# Altium PCB DCAC_V2.PcbDoc (part 1 of 2) (continued)
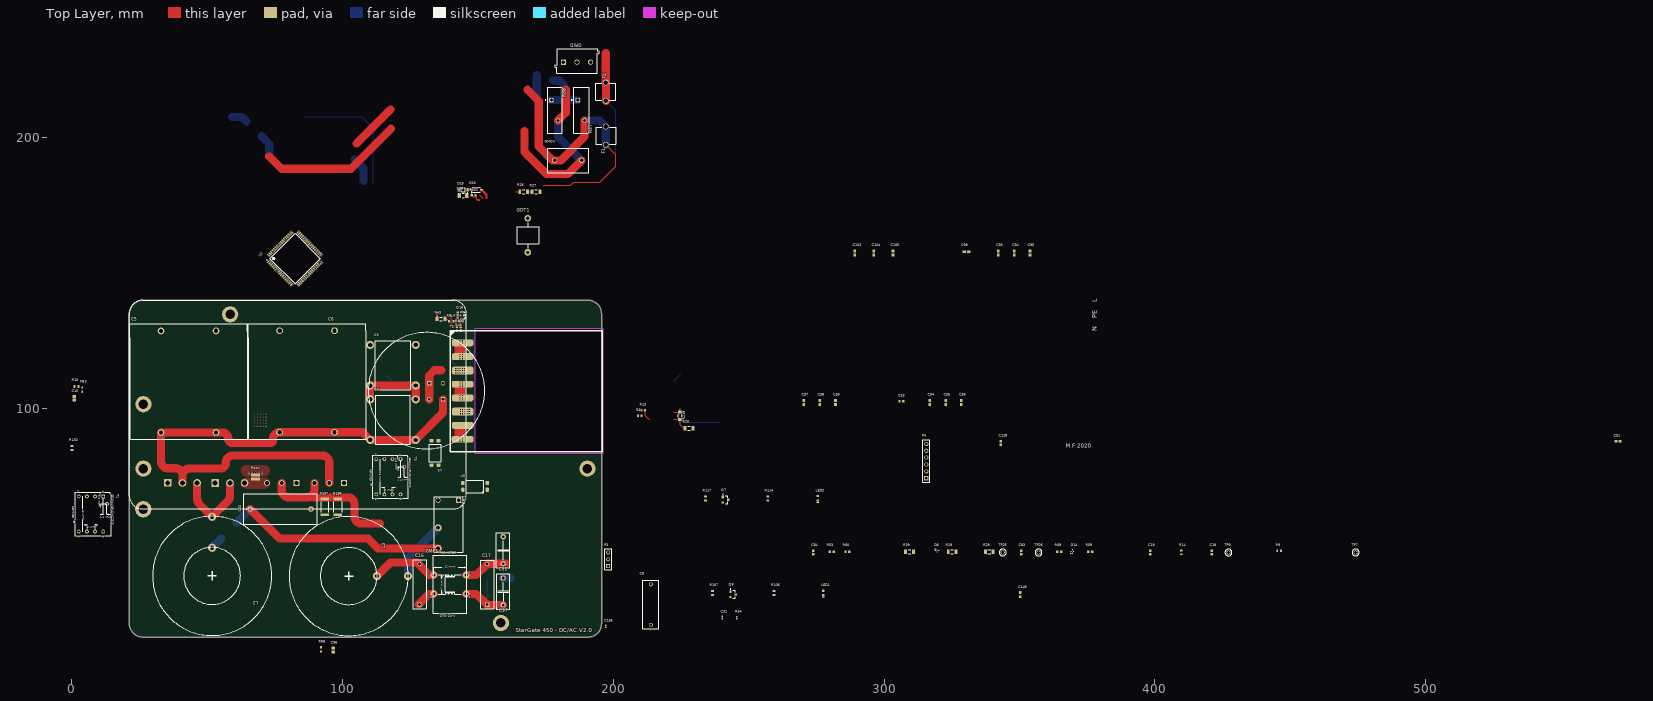
[diagram p0: Top Layer view]
## Part data (continued)
C18 C19: library part CMP-2000-05002-1, "Ceramic Multilayer Capacitor, 100 nF, +/- 10%, 50 V, -55 to 155 degC, 0603 (1608 Metric), RoHS, Tape and Reel", Capacitance=0.1µF, Case Code (Imperial)=0603, Case Code (Metric)=1608, Dielectric=X7R, Insulation Resistance=100GR, Manufacturer=Yageo, Manufacturer Part Number=CC0603KRX7R7BB104, Max Operating Temperature=125°C, Min Operating Temperature=-55°C, Operating Temperature=-55degC~125degC, Package / Case=0603(1608Metric), Package Description="2-Pin Surface Mount Device, Body 1.6 x 0.8 mm", Package Quantity=1, Package Reference=603, Ratings=-, Supplier Part Number 1=311-1088-1-ND, Tolerance=±10%, Voltage=16V, Applications=GeneralPurpose, Case/Package=0603, Category=Capacitors, ComponentLink1Description=https://datasheet.ciiva.com/11786/0900766b80d84f1d-11786077.pdf?src-supplier=RSComponents, ComponentLink1URL=https://datasheet.ciiva.com/11786/0900766b80d84f1d-11786077.pdf?src-supplier=RSComponents, ComponentLink2Description=https://datasheet.ciiva.com/8033/1734573-8033797.pdf?src-supplier=Element14, ComponentLink2URL=https://datasheet.ciiva.com/8033/1734573-8033797.pdf?src-supplier=Element14, ComponentLink3Description=https://datasheet.ciiva.com/144/mlccorderingcode-144182.pdf?src-supplier=Digi-Key, ComponentLink3URL=https://datasheet.ciiva.com/144/mlccorderingcode-144182.pdf?src-supplier=Digi-Key, ComponentLink4Description=https://datasheet.ciiva.com/16625/upy-gphc-x7r-6-3v-to-50v-8-16625526.pdf?src-supplier=Avnet+Europe, ComponentLink4URL=https://datasheet.ciiva.com/16625/upy-gphc-x7r-6-3v-to-50v-8-16625526.pdf?src-supplier=Avnet+Europe, ComponentLink5Description=https://datasheet.ciiva.com/144/mlccorderingcode-144183.pdf?src-supplier=Digi-Key, ComponentLink5URL=https://datasheet.ciiva.com/144/mlccorderingcode-144183.pdf?src-supplier=Digi-Key, ComponentLink6Description=https://datasheet.ciiva.com/8033/70765-8033799.pdf?src-supplier=Element14, ComponentLink6URL=https://datasheet.ciiva.com/8033/70765-8033799.pdf?src-supplier=Element14, ComponentLink7Description=https://datasheet.ciiva.com/144/mlccorderingcode-144184.pdf?src-supplier=Digi-Key, ComponentLink7URL=https://datasheet.ciiva.com/144/mlccorderingcode-144184.pdf?src-supplier=Digi-Key, ComponentLink8Description=https://datasheet.ciiva.com/28450/1489800-28450552.pdf?src-supplier=Element14, ComponentLink8URL=https://datasheet.ciiva.com/28450/1489800-28450552.pdf?src-supplier=Element14, ComponentLink9Description=https://datasheet.ciiva.com/13395/upy-gphc-x7r-6-3v-to-50v-8-13395674.pdf?src-supplier=Mouser, ComponentLink9URL=https://datasheet.ciiva.com/13395/upy-gphc-x7r-6-3v-to-50v-8-13395674.pdf?src-supplier=Mouser, ComponentLink10Description=https://datasheet.ciiva.com/15165/getdatasheetpartid-63554-15165387.pdf?src-supplier=Verical, ComponentLink10URL=https://datasheet.ciiva.com/15165/getdatasheetpartid-63554-15165387.pdf?src-supplier=Verical, ComponentLink11Description=https://datasheet.ciiva.com/46430/1734573-46430156.pdf?src-supplier=Element14, ComponentLink11URL=https://datasheet.ciiva.com/46430/1734573-46430156.pdf?src-supplier=Element14, ComponentLink12Description=https://datasheet.ciiva.com/7978/1489800-7978141.pdf?src-supplier=Element14, ComponentLink12URL=https://datasheet.ciiva.com/7978/1489800-7978141.pdf?src-supplier=Element14, ComponentLink13Description=https://datasheet.ciiva.com/11464/upy-gphc-x7r-6-3v-to-50v-8-11464735.pdf?src-supplier=Avnet, ComponentLink13URL=https://datasheet.ciiva.com/11464/upy-gphc-x7r-6-3v-to-50v-8-11464735.pdf?src-supplier=Avnet, Composition=Ceramic, Datasheet URL=https://datasheet.ciiva.com/11786/0900766b80d84f1d-11786077.pdf, Datasheet Version="Rev. 2, 05/2009", Depth=0.8mm, Family=CeramicCapacitors, Featured Product=CommodityMultilayerCeramicCapacitors–CCSeries, Features=-, Halogen Free="Halogen Free", Height=0.8mm, Height - Seated (Max)=-, Lead Free="Lead Free", Lead Spacing=-, Lead Style=-, Length=1.6mm, Manufacturer URL=http://www.yageo.com/, Material=Ceramic, Mount="Surface Mount", Mounting Type=SurfaceMount,MLCC, Number of Pins=2, Online Catalog=CCSeries, Other Names=311-1088-6, Packaging=Digi-Reel, Pricing 1="1=0,10000, 10=0,04800, 100=0,02130, 500=0,01522, 1000=0,01196 (USD)", Product Training Modules=MultilayerCeramicCapacitors, Radiation Hardening=No, REACH SVHC="No SVHC", RoHS=Yes, Series=CC, Size / Dimension="0.063\"Lx0.031\"W(1.60mmx0.80mm)", Standard Package=1, Stock 1=17413267, Supplier 1=Digi-Key, Temperature coefficient=X7R, Termination=SMD/SMT, Thickness=0.035inch, Thickness (Max)="0.035\"(0.90mm)", Voltage - Rated=16V, Voltage Rating=16V, Voltage Rating (DC)=16V, Width=0.031inch
C31 C156: library part CMP-2008-02701-1, Case Code (Imperial)=0402, Case Code (Metric)=1005, Dielectric=X7R, Manufacturer="AVX Interconnect / Elco", Manufacturer Part Number=04025C102MAT2A, Max Operating Temperature=125°C, Min Operating Temperature=-55°C, Package Quantity=1, Supplier Part Number 1=478-5130-1-ND, Tolerance=20%, Voltage=50V, Capacitance=1nF, Case/Package=0402, Category="Ceramic Capacitors", ComponentLink1Description=https://datasheet.ciiva.com/11787/0900766b80dc2409-11787048.pdf?src-supplier=RSComponents, ComponentLink1URL=https://datasheet.ciiva.com/11787/0900766b80dc2409-11787048.pdf?src-supplier=RSComponents, ComponentLink2Description=https://datasheet.ciiva.com/150/cx7r-150278.pdf?src-supplier=Digi-Key, ComponentLink2URL=https://datasheet.ciiva.com/150/cx7r-150278.pdf?src-supplier=Digi-Key, ComponentLink3Description=https://datasheet.ciiva.com/5424/cx7r-218113-5424822.pdf?src-supplier=Mouser, ComponentLink3URL=https://datasheet.ciiva.com/5424/cx7r-218113-5424822.pdf?src-supplier=Mouser, ComponentLink4Description=https://datasheet.ciiva.com/150/cx7r-150279.pdf?src-supplier=Digi-Key, ComponentLink4URL=https://datasheet.ciiva.com/150/cx7r-150279.pdf?src-supplier=Digi-Key, ComponentLink5Description=https://datasheet.ciiva.com/150/cx7r-150280.pdf?src-supplier=Digi-Key, ComponentLink5URL=https://datasheet.ciiva.com/150/cx7r-150280.pdf?src-supplier=Digi-Key, ComponentLink6Description=https://datasheet.ciiva.com/16327/cx7r-16327672.pdf?src-supplier=Future+Electronics, ComponentLink6URL=https://datasheet.ciiva.com/16327/cx7r-16327672.pdf?src-supplier=Future+Electronics, ComponentLink7Description=https://datasheet.ciiva.com/1123/1679506-1123707.pdf?src-supplier=Element14, ComponentLink7URL=https://datasheet.ciiva.com/1123/1679506-1123707.pdf?src-supplier=Element14, ComponentLink8Description=https://datasheet.ciiva.com/1123/1679506-1123708.pdf?src-supplier=Element14, ComponentLink8URL=https://datasheet.ciiva.com/1123/1679506-1123708.pdf?src-supplier=Element14, ComponentLink9Description=https://datasheet.ciiva.com/11510/cx7r-11510958.pdf?src-supplier=Avnet, ComponentLink9URL=https://datasheet.ciiva.com/11510/cx7r-11510958.pdf?src-supplier=Avnet, ComponentLink10Description=https://datasheet.ciiva.com/16623/cx7r-16623374.pdf?src-supplier=Avnet+Europe, ComponentLink10URL=https://datasheet.ciiva.com/16623/cx7r-16623374.pdf?src-supplier=Avnet+Europe, Construction=Flat, Depth=0.5mm, Height=0.56mm, Lead Free="Lead Free", Length=1mm, Mount="Surface Mount", Packaging="Tape and Reel", Part Number=04025C102MAT2A, Pricing 1="1=0.10000, 10=0.03300, 50=0.01800, 100=0.01470, 500=0.01046, 1000=0.00822, 2500=0.00748, 5000=0.00688 (USD)", Radiation Hardening=No, REACH SVHC="No SVHC", RoHS=Yes, RoHS Compliant=Yes, Series=-, Stock 1=32316, Supplier 1=Digi-Key, Termination=SMD/SMT, Thickness=0.022inch, Voltage Rating=50V, Voltage Rating (DC)=50V, Width=0.02inch
C33: library part CAPMF_330n_TH_MPET_63VDC_10%, "MPX564K305G", Manufacturer_Name=Kemet, Manufacturer_Part_Number=R463I356040N0M, Datasheet Link=https://content.kemet.com/datasheets/KEM_F3095_R46_X2_310_110C.pdf, Height=16.1mm, Mouser Part Number=R463I356040N0M, Mouser Price/Stock=https://www.mouser.co.uk/ProductDetail/KEMET/R463I347040N0M?qs=gt1LBUVyoHl%252Bl7ec8v38Tg%3D%3D
C35 C37: library part CAPMF_330n_TH_MPET_63VDC_10%, "B32021A3222K289", Manufacturer 1="EPCOS Inc", Manufacturer Part Number 1=ECW-FE2W475P, Operating Temperature="-55°C ~ 125°C", Package / Case=Radial, Ratings=300VAC, Supplier Part Number 1=495-2548-ND, Tolerance=±10%, ComponentLink1Description=http://www.epcos.com/inf/20/20/db/fc_2009/MKT_B32520_529.pdf, ComponentLink1URL=http://www.epcos.com/inf/20/20/db/fc_2009/MKT_B32520_529.pdf, Height - Seated (Max)=6.50mm, Lead Spacing=5.00mm, Material="Metallized Polyester", SCDType=source, Size / Dimension="7.20mm L x 3.00mm W max", Supplier 1=Digi-Key
C38 C53: library part CMP-2000-05863-1, "Chip Capacitor, 10 uF, +/- 10%, 25 V, -55 to 85 degC, 1206 (3216 Metric), RoHS, Tape and Reel", Capacitance=10µF, Case Size/Dimension=1206, Dielectric=X5R, Manufacturer=AVX, Package Description="2-Pin Surface Mount Device, Body 3.2 x 1.6 mm", Rated Voltage=25V, Tolerance (%)=±10%, Datasheet URL=http://datasheets.avx.com/cx5r.pdf, Datasheet Version=05/2016, Manufacturer URL=http://www.avx.com/, Mounting Technology=SurfaceMount, Package Reference=1206
C56 C57: library part CMP-2006-02595-1, Capacitance=100pF, Case Code (Imperial)=0603, Case Code (Metric)=1608, Dielectric=C0G, Dielectric Material=Ceramic, Insulation Resistance=10GR, Manufacturer=Murata, Manufacturer Part Number=GRM1885C1H101JA01D, Max Operating Temperature=125°C, Min Operating Temperature=-55°C, Package Quantity=1, Supplier Part Number 1=490-1427-1-ND, Temperature coefficient=30ppm/°C, Tolerance=5%, Voltage=50V, Case/Package=0603, Category="Ceramic Capacitors", ComponentLink1Description=https://datasheet.ciiva.com/131/product-131088.pdf?src-supplier=Digi-Key, ComponentLink1URL=https://datasheet.ciiva.com/131/product-131088.pdf?src-supplier=Digi-Key, ComponentLink2Description=https://datasheet.ciiva.com/18100/getdatasheetpartid-26823-18100641.pdf?src-supplier=Verical, ComponentLink2URL=https://datasheet.ciiva.com/18100/getdatasheetpartid-26823-18100641.pdf?src-supplier=Verical, ComponentLink3Description=https://datasheet.ciiva.com/3777/grm1885c1h101ja0123-3777264.pdf?src-supplier=Arrow+Electronics, ComponentLink3URL=https://datasheet.ciiva.com/3777/grm1885c1h101ja0123-3777264.pdf?src-supplier=Arrow+Electronics, ComponentLink4Description=https://datasheet.ciiva.com/29149/450134-da-01-en-vs-kondensator-0603-29149008.pdf?src-supplier=Conrad, ComponentLink4URL=https://datasheet.ciiva.com/29149/450134-da-01-en-vs-kondensator-0603-29149008.pdf?src-supplier=Conrad, ComponentLink5Description=https://datasheet.ciiva.com/131/partnumbering-e-01-131089.pdf?src-supplier=Digi-Key, ComponentLink5URL=https://datasheet.ciiva.com/131/partnumbering-e-01-131089.pdf?src-supplier=Digi-Key, ComponentLink6Description=https://datasheet.ciiva.com/11605/c02e-11605557.pdf?src-supplier=Avnet, ComponentLink6URL=https://datasheet.ciiva.com/11605/c02e-11605557.pdf?src-supplier=Avnet, ComponentLink7Description=https://datasheet.ciiva.com/28556/4360-28556551.pdf?src-supplier=Element14, ComponentLink7URL=https://datasheet.ciiva.com/28556/4360-28556551.pdf?src-supplier=Element14, ComponentLink8Description=https://datasheet.ciiva.com/7828/4360-7828889.pdf?src-supplier=Element14, ComponentLink8URL=https://datasheet.ciiva.com/7828/4360-7828889.pdf?src-supplier=Element14, ComponentLink9Description=https://datasheet.ciiva.com/7828/4360-7828890.pdf?src-supplier=Element14, ComponentLink9URL=https://datasheet.ciiva.com/7828/4360-7828890.pdf?src-supplier=Element14, ComponentLink10Description=https://datasheet.ciiva.com/7828/4360-7828891.pdf?src-supplier=Element14, ComponentLink10URL=https://datasheet.ciiva.com/7828/4360-7828891.pdf?src-supplier=Element14, ComponentLink11Description=https://datasheet.ciiva.com/14116/grmseries-tc-hitype-eng-14116828.pdf?src-supplier=Distrelec, ComponentLink11URL=https://datasheet.ciiva.com/14116/grmseries-tc-hitype-eng-14116828.pdf?src-supplier=Distrelec, ComponentLink12Description=https://datasheet.ciiva.com/16291/product-16291613.pdf?src-supplier=Future+Electronics, ComponentLink12URL=https://datasheet.ciiva.com/16291/product-16291613.pdf?src-supplier=Future+Electronics, ComponentLink13Description=https://datasheet.ciiva.com/131/partnumbering-e-01-131087.pdf?src-supplier=Digi-Key, ComponentLink13URL=https://datasheet.ciiva.com/131/partnumbering-e-01-131087.pdf?src-supplier=Digi-Key, ComponentLink14Description=https://datasheet.ciiva.com/14116/grmseries-tc-hitype-eng-14116815.pdf?src-supplier=Distrelec, ComponentLink14URL=https://datasheet.ciiva.com/14116/grmseries-tc-hitype-eng-14116815.pdf?src-supplier=Distrelec, Depth=0.8mm, Height=0.8mm, Lead Free="Lead Free", Length=1.6mm, Material=Ceramic, Mount="Surface Mount", Number of Pins=2, Packaging="Tape and Reel", Part Number=GRM1885C1H101JA01D, Pricing 1="1=0.10000, 10=0.06100, 50=0.03320, 100=0.02700, 500=0.01932, 1000=0.01518 (USD)", Radiation Hardening=No, REACH SVHC=Unknown, RoHS=Yes, RoHS Compliant=Yes, Stock 1=98306, Supplier 1=Digi-Key, Termination=SMD/SMT, Thickness=0.035inch, Voltage Rating=50V, Voltage Rating (DC)=50V, Weight=7.1E-05oz, Width=0.031inch
C83 C84: library part CMP-2100-03594-1, "Chip Capacitor, 100 pF, +/- 5%, 50 V, -55 to 125 degC, 0603 (1608 Metric), RoHS, Tape and Reel", Case Code (Imperial)=0603, Case Code (Metric)=1608, Dielectric=C0G, Insulation Resistance=100GR, Manufacturer=Yageo, Manufacturer Part Number=CC0603JRNPO9BN101, Max Operating Temperature=125degC, Min Operating Temperature=-55degC, Package Description="2-Pin Surface Mount Device, Body 1.6 x 0.8 mm", Package Quantity=1, Resistor Type=Ceramic, Supplier Part Number 1=65R8033, Temperature coefficient=30ppm/degC, Tolerance=5%, Voltage=50V, Capacitance=100pF, Case/Package=0603, Category="Ceramic Capacitors", ComponentLink1Description=https://datasheet.ciiva.com/11786/0900766b8079c870-11786060.pdf?src-supplier=RSComponents, ComponentLink1URL=https://datasheet.ciiva.com/11786/0900766b8079c870-11786060.pdf?src-supplier=RSComponents, ComponentLink2Description=https://datasheet.ciiva.com/144/mlccorderingcode-144628.pdf?src-supplier=Digi-Key, ComponentLink2URL=https://datasheet.ciiva.com/144/mlccorderingcode-144628.pdf?src-supplier=Digi-Key, ComponentLink3Description=https://datasheet.ciiva.com/144/mlccorderingcode-144629.pdf?src-supplier=Digi-Key, ComponentLink3URL=https://datasheet.ciiva.com/144/mlccorderingcode-144629.pdf?src-supplier=Digi-Key, ComponentLink4Description=https://datasheet.ciiva.com/11464/upy-gp-np0-16v-to-50v-8-11464725.pdf?src-supplier=Avnet, ComponentLink4URL=https://datasheet.ciiva.com/11464/upy-gp-np0-16v-to-50v-8-11464725.pdf?src-supplier=Avnet, ComponentLink5Description=https://datasheet.ciiva.com/144/mlccorderingcode-144630.pdf?src-supplier=Digi-Key, ComponentLink5URL=https://datasheet.ciiva.com/144/mlccorderingcode-144630.pdf?src-supplier=Digi-Key, ComponentLink6Description=https://datasheet.ciiva.com/46430/1835847-46430151.pdf?src-supplier=Element14, ComponentLink6URL=https://datasheet.ciiva.com/46430/1835847-46430151.pdf?src-supplier=Element14, ComponentLink7Description=https://datasheet.ciiva.com/28450/1443161-28450457.pdf?src-supplier=Element14, ComponentLink7URL=https://datasheet.ciiva.com/28450/1443161-28450457.pdf?src-supplier=Element14, ComponentLink8Description=https://datasheet.ciiva.com/16625/upy-gp-np0-16v-to-50v-8-16625515.pdf?src-supplier=Avnet+Europe, ComponentLink8URL=https://datasheet.ciiva.com/16625/upy-gp-np0-16v-to-50v-8-16625515.pdf?src-supplier=Avnet+Europe, ComponentLink9Description=https://datasheet.ciiva.com/26829/getdatasheetpartid-403525-26829372.pdf?src-supplier=Verical, ComponentLink9URL=https://datasheet.ciiva.com/26829/getdatasheetpartid-403525-26829372.pdf?src-supplier=Verical, ComponentLink10Description=https://datasheet.ciiva.com/7978/1443161-7978127.pdf?src-supplier=Element14, ComponentLink10URL=https://datasheet.ciiva.com/7978/1443161-7978127.pdf?src-supplier=Element14, Composition=Ceramic, Datasheet URL=http://www.yageo.com/documents/recent/UPY-GP_NP0_16V-to-50V_14.pdf, Datasheet Version="Rev. 14, 07/2016", Depth=0.8mm, Height=0.8mm, Lead Free=LeadFree, Length=1.6mm, Manufacturer URL=http://www.yageo.com/, Mount=SurfaceMount, Number of Pins=2, Package Reference=0603, Packaging=TapeandReel, Pricing 1="4000=0.00700, 8000=0.00600 (USD)", Radiation Hardening=No, REACH SVHC=Unknown, RoHS=Yes, RoHS Compliant=Yes, RoHSCompliant=True, Series=CC, Stock 1=296000, Supplier 1=Newark, Termination=SMD/SMT, Thickness=0.035inch, Voltage Rating=50V, Voltage Rating (DC)=50V, Width=0.8mm
C96: library part CMP-2007-03234-1, "SMD Multilayer Ceramic Capacitor, 1 µF, 25 V, 0805 [2012 Metric], ± 10%, X7R", Case Code (Imperial)=0805, Case Code (Metric)=2012, Dielectric=X7R, Dielectric Material=Ceramic, Manufacturer=Kemet, Manufacturer Part Number=C0805C105K3RACTU, Max Operating Temperature=125°C, Min Operating Temperature=-55°C, Package Quantity=1, Supplier Part Number 1=399-8004-1-ND, Tolerance=10%, Voltage=25V, Capacitance=1uF, Case/Package=0805, Category="Ceramic Capacitors", ComponentLink1Description=https://datasheet.ciiva.com/6074/kem-c1002-x7r-smd-6074661.pdf?src-supplier=Farnell, ComponentLink1URL=https://datasheet.ciiva.com/6074/kem-c1002-x7r-smd-6074661.pdf?src-supplier=Farnell, ComponentLink2Description=https://datasheet.ciiva.com/28610/1918693-28610874.pdf?src-supplier=Element14, ComponentLink2URL=https://datasheet.ciiva.com/28610/1918693-28610874.pdf?src-supplier=Element14, ComponentLink3Description=https://datasheet.ciiva.com/46443/1851736-46443533.pdf?src-supplier=Element14, ComponentLink3URL=https://datasheet.ciiva.com/46443/1851736-46443533.pdf?src-supplier=Element14, Construction=Flat, Contact Plating=Tin,Matte, Depth=1.25mm, Height=1.25mm, Length=2mm, Mount="Surface Mount", Number of Pins=2, Packaging="Tape and Reel", Part Number=C0805C105K3RACTU, Pricing 1="1=0.14000, 10=0.09900, 50=0.05620, 100=0.04650, 500=0.03262, 1000=0.02700 (USD)", Radiation Hardening=No, REACH SVHC="No SVHC", RoHS=Yes, RoHS Compliant=Yes, Series=C, Stock 1=73815, Supplier 1=Digi-Key, Termination=SMD/SMT, Thickness=0.055inch, Voltage Rating=25V, Voltage Rating (DC)=25V, Width=0.049inch
C128: library part CMP-2000-05332-1, "Cap Ceramic 0.1uF 50VDC X7R 10% SMD 0603 Paper T/R", Capacitance=0.1µF, Case Code (Imperial)=0603, Case Code (Metric)=1608, Dielectric=X7R, Manufacturer="Samsung Electro-Mechanics", Manufacturer Part Number=CL10B104KB8NNNC, Max Operating Temperature=125°C, Min Operating Temperature=-55°C, Package Quantity=1, Rated Voltage=50V, Supplier Part Number 1=1276-1000-1-ND, Tolerance=10%, Tolerance (%)=±10%, Case Size/Dimension=0603, Case/Package=0603, Category="Ceramic Capacitors", ComponentLink1Description=https://datasheet.ciiva.com/25803/cl10b104kb8nnnc-25803393.pdf?src-supplier=Digi-Key, ComponentLink1URL=https://datasheet.ciiva.com/25803/cl10b104kb8nnnc-25803393.pdf?src-supplier=Digi-Key, ComponentLink2Description=https://datasheet.ciiva.com/26838/getdatasheetpartid-89097-26838411.pdf?src-supplier=Verical, ComponentLink2URL=https://datasheet.ciiva.com/26838/getdatasheetpartid-89097-26838411.pdf?src-supplier=Verical, ComponentLink3Description=https://datasheet.ciiva.com/29198/456651-da-01-en-vs-kondensator-0605-29198839.pdf?src-supplier=Conrad, ComponentLink3URL=https://datasheet.ciiva.com/29198/456651-da-01-en-vs-kondensator-0605-29198839.pdf?src-supplier=Conrad, Construction=Flat, Contact Plating=Tin, Datasheet URL=https://datasheet.ciiva.com/29198/456651-da-01-en-vs-kondensator-0605-29198839.pdf, Datasheet Version=Nov-10, Depth=0.8mm, Height=0.8mm, Lead Free="Lead Free", Length=1.6mm, Manufacturer URL=http://www.samsungsem.com/global/index.jsp, Material=Ceramic, Mount="Surface Mount", Packaging="Tape and Reel", Pricing 1="1=0.10000, 10=0.03000, 50=0.01620, 100=0.01330, 500=0.00950, 1000=0.00746 (USD)", Radiation Hardening=No, RoHS=Yes, RoHS Compliant=Yes, Series=CL, Stock 1=13409690, Supplier 1=Digi-Key, Thickness=0.035inch, Voltage=50V, Voltage Rating=50V, Voltage Rating (DC)=50V, Width=0.031inch
CMC1: library part CMC_2K2_100M_3216-SMD, "Common Mode Choke 2.2K Ohm 1206 SMD", Manufacturer 1="Wurth Electronics Inc", Manufacturer Part Number 1=744232222, Package / Case="Horizontal, 4 PC Pad", Ratings="2.2k Ohms at 100MHz", Supplier Part Number 1=732-1474-1-ND, ComponentLink1Description="744232222 datasheet", ComponentLink1URL=http://katalog.we-online.de/kataloge/eisos/media/pdf/744232222.pdf, Height (Max)="0.083\" (2.10mm)", Impedance="2200 Ohm at 100 MHz", PackageDescription="SMD Inductor, 4-Leads, Body 1.8 x 3.4 mm", SCDType=source, Supplier 1=Digi-Key
CONN_BOTT: "Connector", Manufacturer_Name=SAMTEC, Mouser Part Number=200-CLP10802FDBE, Arrow Part Number=CLP-108-02-F-D-BE, Arrow Price/Stock=https://www.arrow.com/en/products/clp-108-02-f-d-be/samtec, Datasheet Link=http://suddendocs.samtec.com/prints/erm8-xxx-xx.x-xxx-dv-xxxx-xx-mkt.pdf, Manufacturer_Part_Number=CLP-108-02-F-D-BE, Mouser Price/Stock=https://www.mouser.co.uk/ProductDetail/Samtec/CLP-108-02-F-D-BE?qs=0lQeLiL1qyYUOoO2ps5Gwg%3D%3D
D3 D4: library part CMP-1161-00003-1, "3rd Generation ThinQ SiC Schottky Diode, -55 to 175 degC, PG-TO220-2-1, Tube, Green", Manufacturer=Infineon, Supplier Part Number 1=IDH06G65C6XKSA1-ND, ComponentLink1Description="Manufacturer URL", ComponentLink1URL=http://www.infineon.com/, ComponentLink2Description=Datasheet, ComponentLink2URL=http://www.infineon.com/dgdl/IDH06SG60C_rev2.4.pdf?folderId=db3a30431ddc9372011ed0010fda1bd3&fileId=db3a30431ed1d7b2011eee0cadfb545a, ComponentLink3Description="Package Specification", ComponentLink3URL=http://www.infineon.com/dgdl/IDP09E120_v2_3G%5B1%5D.pdf?folderId=db3a304314dca38901151224afae0c96&fileId=db3a30432313ff5e01237a7d849d7c11, ComponentLink4Description=https://www.infineon.com/dgdl/Infineon-IDH06G65C6-DS-v02_00-EN.pdf?fileId=5546d4625cc9456a015cd4d37d7a2df6&src-supplier=Digi-Key, ComponentLink4URL=https://www.infineon.com/dgdl/Infineon-IDH06G65C6-DS-v02_00-EN.pdf?fileId=5546d4625cc9456a015cd4d37d7a2df6&src-supplier=Digi-Key, Manufacturer Part Number=IDH06G65C6XKSA1, Pricing 1="1=2,68000, 10=2,41000, 100=1,97460, 500=1,68092, 1000=1,41764 (USD)", RoHS=No, Stock 1=1521, Supplier 1=Digi-Key
D8 D14: library part CMP-1063-00102-1, "Transient Voltage Suppressor, Micro-Packaged Diode for ESD Protection, 2-Pin SOD-523, Pb-Free, Tape and Reel", Manufacturer="On Semiconductor", PartNumber=ESD5Z5.0T1G, ComponentLink1Description="Manufacturer URL", ComponentLink1URL=http://www.onsemi.com/, ComponentLink2Description=Datasheet, ComponentLink2URL=http://www.onsemi.cn/pub_link/Collateral/ESD5Z2.5T1-D.PDF, ComponentLink3Description="Package Specification", ComponentLink3URL=http://www.onsemi.com/pub_link/Collateral/502-01.PDF, DatasheetVersion="Rev. 10", Direction=Unidirectional, IR Max (uA)=0.05, Mounting Technology="Surface Mount", Number of Lines=1, PackageDescription="2-Pin SOD, Body 1.2 x 0.8 mm", PackageReference=SOD-523-2-502-01, PackageVersion="Rev. E, 09/2010", Packing="Tape and Reel", PPK Max (W)=174, RoHS=Pb-Free, V(BR) Min (V)=6.2, VRWM Max (V)=5
D18: library part CMP-1060-00300-1, "Zener Voltage Regulator, 500 mW, 2-Pin SOD-123, Pb-Free, Tape and Reel", Manufacturer="On Semiconductor", ComponentLink1Description="Manufacturer URL", ComponentLink1URL=http://www.onsemi.com/, ComponentLink2Description=Datasheet, ComponentLink2URL=http://www.onsemi.com/pub_link/Collateral/MMSZ4678T1-D.PDF, ComponentLink3Description="Package Specification", ComponentLink3URL=http://www.onsemi.com/pub_link/Collateral/425-04.PDF, DatasheetVersion="Rev. 9", Mounting Technology="Surface Mount", P Max (W)=0.5, PackageDescription="2-Pin SOD, Body 1.6 x 2.69 mm", PackageReference=SOD-123-2-425-04, PackageVersion="Rev. G, 10/2009", Packing="Tape and Reel", PartNumber=SZMMSZ4702T1G, RoHS=Pb-Free, VZ Typ (V)=15
D19: library part CMP-0303-00003-1, "1.0 A Surface Mount Schottky Barrier Rectifier, 40 V, -65 to 125 degC, 2-Pin SOD-123 Package, RoHS, Tape and Reel", @ Terminal Temperature TT (degC)=90, Forward Voltage Drop VF (V)=0.45, Manufacturer="Diodes Inc", Maximum Average Rectified Current IO (A)=1, Maximum Reverse Current IR (uA)=50, Operating and Storage Temperature Range="-65 to 125 degC", Peak Forward Surge Current IFSM (A)=25, Peak Repetitive Reverse Voltage VRRM (V)=40, @ IF (A)=1, @ VR (V)=40, ComponentLink1Description="Manufacturer URL", ComponentLink1URL=http://www.diodes.com/, ComponentLink2Description=Datasheet, ComponentLink2URL=http://www.diodes.com/datasheets/ds30217.pdf, DatasheetVersion="Rev. 15-2", Mounting Technology="Surface Mount", PackageDescription="2-Pin SOD-123, Body 2.7 x 1.55 mm, Pitch 3.7 mm", PackageReference=SOD-123-2, Packing="Tape and Reel", PartNumber=1N5819HW-7-F, RoHS=TRUE, Total Capacitance CT (pF)=50, VR (RMS) (V)=28
F1 F2: library part CMP-0956-00001-1, "Straight PC Leg Fuse Clip-W/O Orientation Leg P/N, 15 A, 2-Pin THD", Current Rating="15 A", Manufacturer=Keystone, ComponentLink1Description="Manufacturer URL", ComponentLink1URL=http://www.keyelco.com/, ComponentLink2Description=Datasheet, ComponentLink2URL=http://www.keyelco.com/product-pdf.cfm?p=354, DatasheetVersion="Rev. E", Fuse Entry=Vertical, Fuse Type=Cylindrical, Mounting Technology="Through Hole", PackageDescription="2-Pin THD, Pin Spacing 6.76 mm, Height 8.71 mm", PackageReference=3517-2, PartNumber=3517, Style=CLIP, UL Recognized=Yes
F4: "Fuse", Manufacturer_Name=Bel, Mouser Part Number=530-0678H9100-02, Datasheet Link="https://www.mouser.com/datasheet/2/643/Bel Fuse_02202018_0678H-1288534.pdf", Height=3.18mm, Manufacturer_Part_Number=0678H9100-02
FB3 FB8: library part CMP-0220-00115-1, "SMD EMI Suppression Ferrite Bead WE-CBF, Z = 1500 Ohm", ComponentLink1Description="Manufacturer Link", ComponentLink1URL=http://www.we-online.com, ComponentLink2Description=Datasheet, ComponentLink2URL=http://www.we-online.de/katalog/media/pdf/742792691.pdf, DatasheetVersion=Dec-2005, Impedance="1500 Ohm", PackageDescription="Chip Inductor, 2-Leads, Body 1.6 x 0.8 mm", PackageReference=SMD-0603, PackageVersion=2009
GDT1: "GDT 240VAC 10KA THROUGH HOLE", Breakdown Voltage=715V, Capacitance=1pF, Manufacturer=Littelfuse, Manufacturer Part Number=AC240L, Max Operating Temperature=125°C, Min Breakdown Voltage=425V, Min Operating Temperature=-40°C, Package Quantity=350, Peak Pulse Current=10A, Supplier Part Number 1=F2725-ND, Voltage Rating=240V, Category=Uncategorized, ComponentLink1Description=https://datasheet.ciiva.com/25606/0900766b81123301-25606550.pdf?src-supplier=RSComponents, ComponentLink1URL=https://datasheet.ciiva.com/25606/0900766b81123301-25606550.pdf?src-supplier=RSComponents, ComponentLink2Description=https://datasheet.ciiva.com/15226/getdatasheetpartid-76877-15226854.pdf?src-supplier=Verical, ComponentLink2URL=https://datasheet.ciiva.com/15226/getdatasheetpartid-76877-15226854.pdf?src-supplier=Verical, ComponentLink3Description=https://datasheet.ciiva.com/323/littelfuse-gdt-ac-cg3-series-323306.pdf?src-supplier=Digi-Key, ComponentLink3URL=https://datasheet.ciiva.com/323/littelfuse-gdt-ac-cg3-series-323306.pdf?src-supplier=Digi-Key, ComponentLink4Description=https://datasheet.ciiva.com/22727/littelfuse-src-gdt-ac-series-r1-22727434.pdf?src-supplier=Element14, ComponentLink4URL=https://datasheet.ciiva.com/22727/littelfuse-src-gdt-ac-series-r1-22727434.pdf?src-supplier=Element14, ComponentLink5Description=https://datasheet.ciiva.com/18416/70184210-18416011.pdf?src-supplier=Allied+Electronics, ComponentLink5URL=https://datasheet.ciiva.com/18416/70184210-18416011.pdf?src-supplier=Allied+Electronics, ComponentLink6Description=https://datasheet.ciiva.com/1272/447910-1272796.pdf?src-supplier=Element14, ComponentLink6URL=https://datasheet.ciiva.com/1272/447910-1272796.pdf?src-supplier=Element14, Fail Short=No, Height=8mm, Lead Free="Lead Free", Length=6.07mm, Max Breakdown Voltage=715V, Mount="Through Hole,Axial,Plug-In", Number of Pins=2, Number of Poles=2, Packaging=Tray, Pricing 1="1=3.08000, 5=2.93200, 10=2.78400, 50=2.24720, 100=1.90520, 350=1.85631, 700=1.56320, 1050=1.39223, 5250=1.22125 (USD)", REACH SVHC=Unknown, RoHS=Yes, Stock 1=1428, Supplier 1=Digi-Key, Termination=Axial
GMOV: "Varistor", Manufacturer_Name=Bourns, Mouser Part Number=652-GMOV-20D271K, Arrow Part Number=GMOV-20D271K, Arrow Price/Stock=https://www.arrow.com/en/products/gmov-20d271k/bourns, Datasheet Link=https://media.digikey.com/pdf/Data%20Sheets/Bourns%20PDFs/GMOV_Series_DS.pdf, Height=26mm, Manufacturer_Part_Number=GMOV-20D271K, Mouser Price/Stock=https://www.mouser.co.uk/ProductDetail/Bourns/GMOV-20D271K?qs=vLWxofP3U2wqBB3%2FsR%252BZvw%3D%3D
GRID: library part CMP-1502-03257-1, "Series 101 - 5.00 mm Horizontal Entry Modular with Pressure Clamp WR-TBL, 3 pin", Manufacturer="Wurth Elektronik", Operating Temperature=-40to105degC, Datasheet URL=http://katalog.we-online.de/em/datasheet/6911017100xx.pdf, Manufacturer URL=http://www.we-online.de, Mounting Technology=THT, Package Reference=691101710003, Packaging=Box, Part Number=691101710003, Pin Number=3, Pitch=5.00mm, Publisher=WurthElektronik
K1: library part CMP-1503-00190-1, "LQ Relays, 12 V Coil Voltage, 200 mW Nominal Operating Power, -40 to 85 degC, 4-Pin LQ, Carton, Case, RoHS", Coil Voltage="12 V", Manufacturer=Panasonic, Max Switching Current="10 A (N.O.), 3 A (N.C.)", Max Switching Voltage="250 V AC", Nominal Operating Power="200 mW", ComponentLink1Description="Manufacturer URL", ComponentLink1URL=http://www3.panasonic.biz/ac/ae/index.jsp, ComponentLink2Description=Datasheet, ComponentLink2URL=http://www3.panasonic.biz/ac/e_download/control/relay/power/catalog/mech_eng_lq.pdf?f_cd=401220, ComponentLink3Description="Package Specification", ComponentLink3URL=http://www3.panasonic.biz/ac/e_download/control/relay/power/catalog/mech_eng_lq.pdf?f_cd=401220, DatasheetVersion=201410-T, Electrical Life=5x10^4, Mechanical Life(Min.operation)=1x10^7, Mounting Technology="Through Hole", PackageDescription="4-Pin Through Hole Terminal Package, Body 20 x 10 mm", PackageReference=LQ-4-2000x1000x1600, PackageVersion="ASCTB92E, 10/2014", Packing="Carton, Case", PartNumber=ALQ312, Pb-Free=True, RoHS=True, Series="LQ Relays"
L2 L3: library part INDC_150n_1008, "Inductor SMD chip 150nH 1008", Manufacturer 1="TDK Corporation", Manufacturer Part Number 1=NLV25T-R15J-PF, Package / Case="1008 (2520 Metric)", Ratings="500 mA", Supplier Part Number 1=445-1715-1-ND, Tolerance=±5%, SCDType=spec, Supplier 1=Digi-Key
LED1 LED2: library part CMP-1426-00005-1, "SMD mono-color Chip LED, WL-SMCW, Yellow", Case Code (Imperial)=0603, Case Code (Metric)=1608, Color=Yellow, Forward Current=30mA, Forward Voltage=2V, Manufacturer="Wuerth Elektronik", Max Operating Temperature=85°C, Min Operating Temperature=-40°C, Package Quantity=4000, Supplier Part Number 1=732-4981-1-ND, Test Current=20mA, Case/Package=0603, Category=LEDs, ComponentLink1Description="Manufacturer URL", ComponentLink1URL=http://www.we-online.com, ComponentLink2Description=Datasheet, ComponentLink2URL=http://katalog.we-online.com/led/datasheet/150060YS75000.pdf, ComponentLink3Description=https://datasheet.ciiva.com/23843/150060ys75000-23843250.pdf?src-supplier=Newark, ComponentLink3URL=https://datasheet.ciiva.com/23843/150060ys75000-23843250.pdf?src-supplier=Newark, ComponentLink4Description=https://datasheet.ciiva.com/29279/759432-da-01-en-chipled-0603-w-kl-gelb-150060ys75000-29279206.pdf?src-supplier=Conrad, ComponentLink4URL=https://datasheet.ciiva.com/29279/759432-da-01-en-chipled-0603-w-kl-gelb-150060ys75000-29279206.pdf?src-supplier=Conrad, ComponentLink5Description=https://datasheet.ciiva.com/29563/150060ys75000-29563045.pdf?src-supplier=Digi-Key, ComponentLink5URL=https://datasheet.ciiva.com/29563/150060ys75000-29563045.pdf?src-supplier=Digi-Key, ComponentLink6Description=https://datasheet.ciiva.com/22656/1911348-22656951.pdf?src-supplier=Element14, ComponentLink6URL=https://datasheet.ciiva.com/22656/1911348-22656951.pdf?src-supplier=Element14, ComponentLink7Description=https://datasheet.ciiva.com/29563/150060ys75000-29563033.pdf?src-supplier=Digi-Key, ComponentLink7URL=https://datasheet.ciiva.com/29563/150060ys75000-29563033.pdf?src-supplier=Digi-Key, ComponentLink8Description=https://datasheet.ciiva.com/48430/150060ys75000-eng-tds-48430044.pdf?src-supplier=Distrelec, ComponentLink8URL=https://datasheet.ciiva.com/48430/150060ys75000-eng-tds-48430044.pdf?src-supplier=Distrelec, Dominant Wavelength=590nm, Height=0.7mm, Length=1.6mm, Lens Style=Clear,Rectangular, Luminous Intensity=120mcd, Manufacturer Part Number=150060YS75000, Mount="Surface Mount", PackageReference=0603_A, Packaging="Tape and Reel", PartNumber=150060YS75000, Pricing 1="1=0.14000, 50=0.13300, 100=0.11400, 500=0.09900 (USD)", REACH SVHC=Unknown, RoHS=Yes, Stock 1=139, Supplier 1=Digi-Key, Viewing Angle=140°, Wavelength=590nm, Width=0.8mm
P3: "Header, 3-Pin", LatestRevisionDate=17-Jul-2002, LatestRevisionNote="Re-released for DXP Platform.", Publisher="Altium Limited"
P4: library part CMP-1024-00383-1, "0.025\" SQ Post Header, Through-hole, Vertical, -55 to 125 degC, 2.54 mm Pitch, 6-Pin, Male, RoHS", Manufacturer=Samtec, Temperature Range="-55 to 125 degC", ComponentLink1Description="Manufacturer URL", ComponentLink1URL=http://www.samtec.com, ComponentLink2Description=Datasheet, ComponentLink2URL=http://www.samtec.com/documents/webfiles/pdf/TSW_TH.PDF, ComponentLink3Description="Package Specification", ComponentLink3URL=http://www.samtec.com/documents/webfiles/cpdf/TSW-XXX-XX-XXX-X-XX-XXX-MKT.pdf, DatasheetVersion=F-214, Mounting Technology=Through-hole, Orientation=Vertical, PackageDescription=".025[0.64] SQ. Post Terminal Strip Assembly", PackageReference=TSW-106-07-X-S, PackageVersion="DM, 8/1988", PartNumber=TSW-106-07-G-S, Pitch="2.54 mm", RoHS=True
Q7: library part CMP-2000-04929-1, "N-Channel Enhancement Mode Field Effect Transistor, 60 V, 0.115 A, -55 to 150 degC, 3-Pin SOT23, RoHS, Tape and Reel", Id - Continuous Drain Current=115mA, Manufacturer=DiodesIncorporated, Maximum Operating Temperature=+150C, Minimum Operating Temperature=-55C, Package / Case=SOT-23-3, Package Description="3-Pin Small Outline Transistor, Body 2.9 x 1.3 mm, Pitch 0.96 mm", Package Reference=SOT23-3, Pd - Power Dissipation=300mW, Rds On - Drain-Source Resistance=7.5Ohms, Vds - Drain-Source Breakdown Voltage=70V, Vgs - Gate-Source Voltage=20V, Brand=DiodesIncorporated, Channel Mode=Enhancement, Configuration=Single, Datasheet URL=http://datasheet.octopart.com/2N7002-7-F-Diodes-Inc.-datasheet-8326113.pdf, Datasheet Version="Rev. 21-2, 02/2009", Factory Pack Quantity=3000, Fall Time=5.6ns, Forward Transconductance - Min=0.08S, Height=1mm, Length=2.9mm, Manufacturer URL=http://www.diodes.com/, Mounting Style=SMD/SMT, Number of Channels=1Channel, Packaging=Reel, Product=MOSFETSmallSignal, Product Category=MOSFET, Rise Time=3ns, RoHS=True, Series=2N7002, Technology=Si, Transistor Polarity=N-Channel, Transistor Type=1N-Channel, Type=EnhancementModeFieldEffectTransistor, Typical Turn-Off Delay Time=11ns, Typical Turn-On Delay Time=7ns, Unit Weight=0.000282oz, Width=1.3mm
Q8: library part CMP-1048-00392-1, "Complementary General Purpose Transistors, 6-Pin SC70, Pb-Free, Tape and Reel", Manufacturer="On Semiconductor", PartNumber=MBT3946DW1T2G, ComponentLink1Description="Manufacturer URL", ComponentLink1URL=http://www.onsemi.com/, ComponentLink2Description=Datasheet, ComponentLink2URL=http://www.onsemi.com/pub_link/Collateral/MBT3946DW1T1-D.PDF, ComponentLink3Description="Package Specification", ComponentLink3URL=http://www.onsemi.com/pub_link/Collateral/SMF05C-D.PDF, DatasheetVersion="Rev. 7", IC Continuous (A)=0.2, Mounting Technology="Surface Mount", PackageDescription="6-Pin Small Outline Transistor, Body 2 x 1.25 mm, Pitch 0.65 mm", PackageReference=SC70-6-419B-02_W, PackageVersion="Rev. W", Packing="Tape and Reel", Polarity=Complementary, RoHS=TRUE